# KiCad board EyesOfTomorrow-MainBoard.kicad_pcb
note: AISLER Project ID: BVLYZYGG
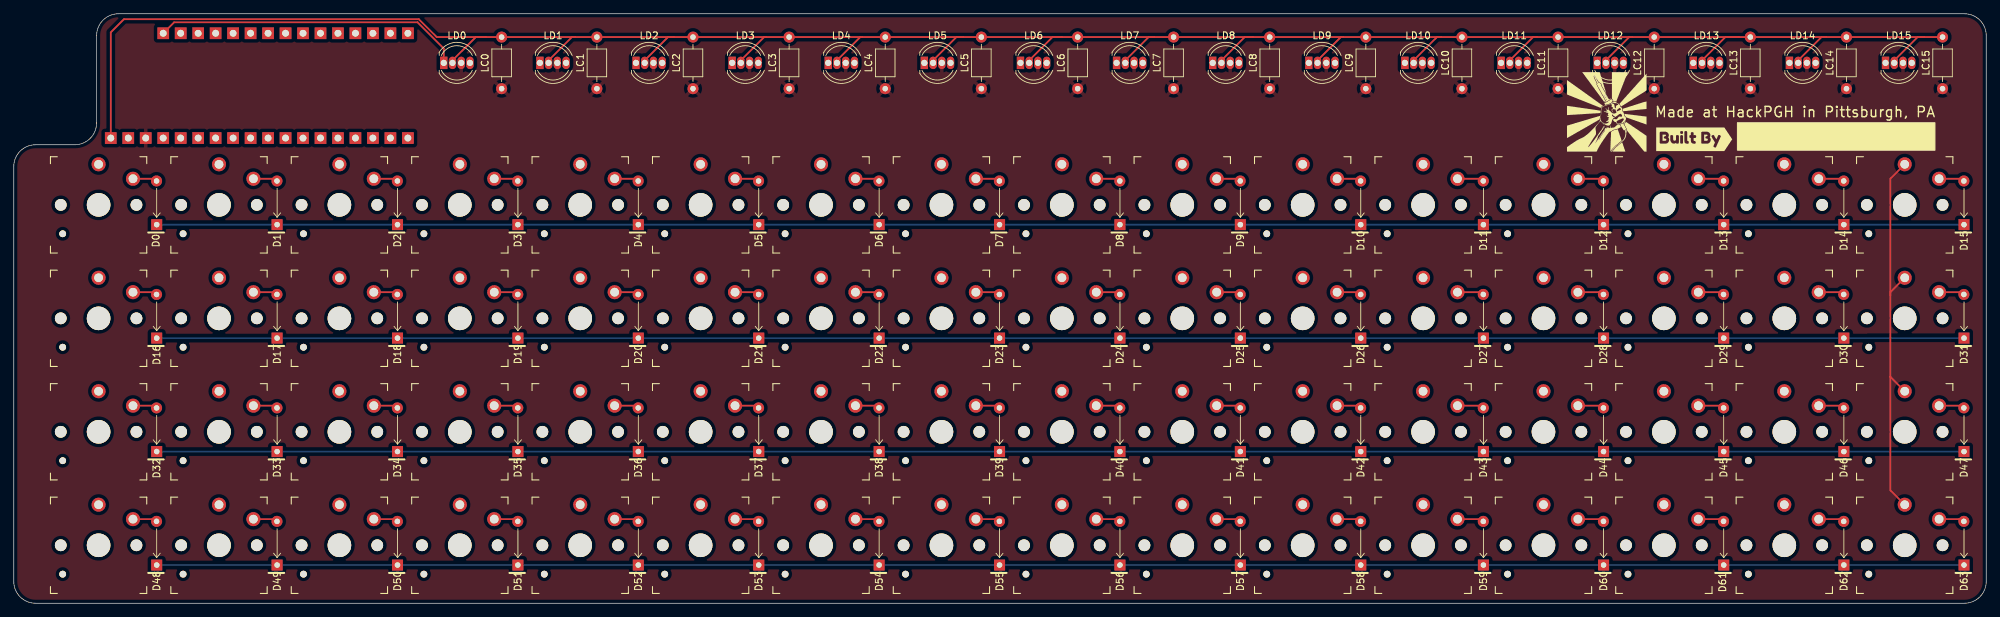
[diagram p0: board, top side]
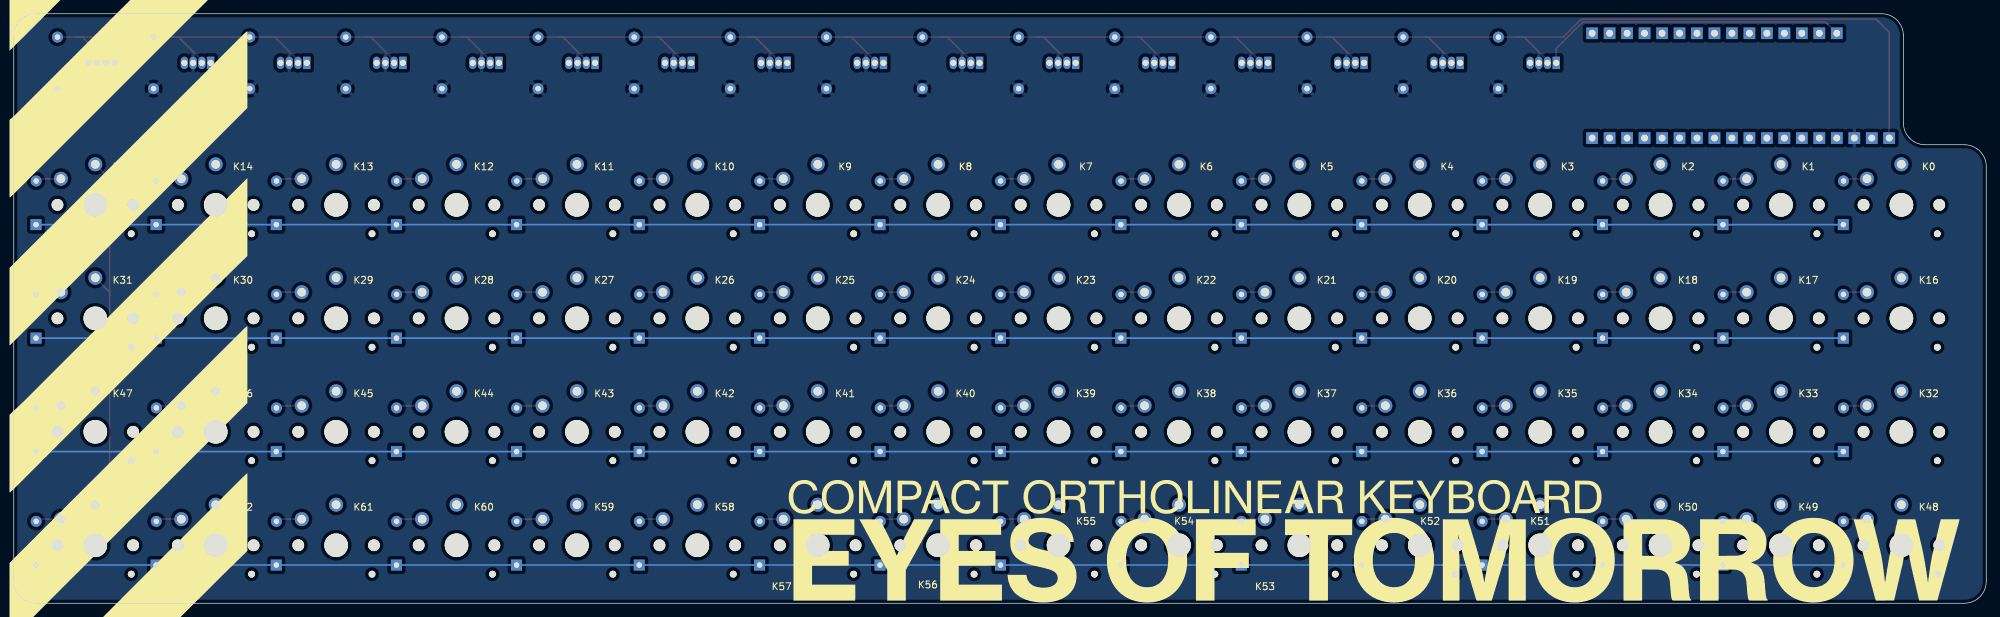
[diagram p1: board, bottom side, seen from below]

Outline 286.68 x 85.73 mm; copper layers: Top, Bottom. Coordinates in mm from the lower left corner of the outline.
Outline path: 0,63.5 0,3.18 arc(0.93,0.93) 3.17,0 283.5,0 arc(285.75,0.93) 286.68,3.18 286.68,82.55 arc(285.75,84.8) 283.5,85.73 15.22,85.73 arc(12.97,84.8) 12.04,82.55 12.04,69.85 arc(11.11,67.6) 8.87,66.68 3.17,66.68 arc(0.93,65.75) 0,63.5

## Placement (name value [footprint] x y rotation side)
D0  1N4148W-T4  [1N4148]  20.77 58.23 90 top
D1  1N4148W-T4  [1N4148]  38.27 58.23 90 top
D2  1N4148W-T4  [1N4148]  55.77 58.23 90 top
D3  1N4148W-T4  [1N4148]  73.27 58.23 90 top
D4  1N4148W-T4  [1N4148]  90.77 58.23 90 top
D5  1N4148W-T4  [1N4148]  108.27 58.23 90 top
D6  1N4148W-T4  [1N4148]  125.77 58.23 90 top
D7  1N4148W-T4  [1N4148]  143.27 58.23 90 top
D8  1N4148W-T4  [1N4148]  160.77 58.23 90 top
D9  1N4148W-T4  [1N4148]  178.27 58.23 90 top
D10  1N4148W-T4  [1N4148]  195.77 58.23 90 top
D11  1N4148W-T4  [1N4148]  213.6 58.23 90 top
D12  1N4148W-T4  [1N4148]  231.06 58.23 90 top
D13  1N4148W-T4  [1N4148]  248.52 58.23 90 top
D14  1N4148W-T4  [1N4148]  265.99 58.23 90 top
D15  1N4148W-T4  [1N4148]  283.45 58.23 90 top
D16  1N4148W-T4  [1N4148]  20.77 41.73 90 top
D17  1N4148W-T4  [1N4148]  38.27 41.73 90 top
D18  1N4148W-T4  [1N4148]  55.77 41.73 90 top
D19  1N4148W-T4  [1N4148]  73.27 41.73 90 top
D20  1N4148W-T4  [1N4148]  90.77 41.73 90 top
D21  1N4148W-T4  [1N4148]  108.27 41.73 90 top
D22  1N4148W-T4  [1N4148]  125.77 41.73 90 top
D23  1N4148W-T4  [1N4148]  143.27 41.73 90 top
D24  1N4148W-T4  [1N4148]  160.77 41.73 90 top
D25  1N4148W-T4  [1N4148]  178.27 41.73 90 top
D26  1N4148W-T4  [1N4148]  195.77 41.73 90 top
D27  1N4148W-T4  [1N4148]  213.6 41.73 90 top
D28  1N4148W-T4  [1N4148]  231.06 41.73 90 top
D29  1N4148W-T4  [1N4148]  248.52 41.73 90 top
D30  1N4148W-T4  [1N4148]  265.99 41.73 90 top
D31  1N4148W-T4  [1N4148]  283.45 41.73 90 top
D32  1N4148W-T4  [1N4148]  20.77 25.23 90 top
D33  1N4148W-T4  [1N4148]  38.27 25.23 90 top
D34  1N4148W-T4  [1N4148]  55.77 25.23 90 top
D35  1N4148W-T4  [1N4148]  73.27 25.23 90 top
D36  1N4148W-T4  [1N4148]  90.77 25.23 90 top
D37  1N4148W-T4  [1N4148]  108.27 25.23 90 top
D38  1N4148W-T4  [1N4148]  125.77 25.23 90 top
D39  1N4148W-T4  [1N4148]  143.27 25.23 90 top
D40  1N4148W-T4  [1N4148]  160.77 25.23 90 top
D41  1N4148W-T4  [1N4148]  178.27 25.23 90 top
D42  1N4148W-T4  [1N4148]  195.77 25.23 90 top
D43  1N4148W-T4  [1N4148]  213.6 25.23 90 top
D44  1N4148W-T4  [1N4148]  231.06 25.23 90 top
D45  1N4148W-T4  [1N4148]  248.52 25.23 90 top
D46  1N4148W-T4  [1N4148]  265.99 25.23 90 top
D47  1N4148W-T4  [1N4148]  283.45 25.23 90 top
D48  1N4148W-T4  [1N4148]  20.77 8.73 90 top
D49  1N4148W-T4  [1N4148]  38.27 8.73 90 top
D50  1N4148W-T4  [1N4148]  55.77 8.73 90 top
D51  1N4148W-T4  [1N4148]  73.27 8.73 90 top
D52  1N4148W-T4  [1N4148]  90.77 8.73 90 top
D53  1N4148W-T4  [1N4148]  108.27 8.73 90 top
D54  1N4148W-T4  [1N4148]  125.77 8.73 90 top
D55  1N4148W-T4  [1N4148]  143.27 8.73 90 top
D56  1N4148W-T4  [1N4148]  160.77 8.73 90 top
D57  1N4148W-T4  [1N4148]  178.27 8.73 90 top
D58  1N4148W-T4  [1N4148]  195.77 8.73 90 top
D59  1N4148W-T4  [1N4148]  213.6 8.73 90 top
D60  1N4148W-T4  [1N4148]  231.06 8.73 90 top
D61  1N4148W-T4  [1N4148]  248.52 8.73 90 top
D62  1N4148W-T4  [1N4148]  265.99 8.73 90 top
D63  1N4148W-T4  [1N4148]  283.45 8.73 90 top
G***  LOGO  [hackpgh]  231.53 71.41 0 top
G***#2  LOGO  [eot]  89.08 7.43 180 bottom
G***#3  LOGO  [sweethaz]  270.01 50.01 180 bottom
J0  Block 0 GPIO  [CastellatedEdges-18]  14.1 67.65 90 top
J1  Block 1 GPIO  [CastellatedEdges-15]  57.28 82.89 270 top
K0  Keyswitch  [SW_PG1350]  12.33 57.93 0 top
K1  Keyswitch  [SW_PG1350]  29.83 57.93 0 top
K2  Keyswitch  [SW_PG1350]  47.33 57.93 0 top
K3  Keyswitch  [SW_PG1350]  64.83 57.93 0 top
K4  Keyswitch  [SW_PG1350]  82.33 57.93 0 top
K5  Keyswitch  [SW_PG1350]  99.83 57.93 0 top
K6  Keyswitch  [SW_PG1350]  117.33 57.93 0 top
K7  Keyswitch  [SW_PG1350]  134.83 57.93 0 top
K8  Keyswitch  [SW_PG1350]  152.33 57.93 0 top
K9  Keyswitch  [SW_PG1350]  169.83 57.93 0 top
K10  Keyswitch  [SW_PG1350]  187.33 57.93 0 top
K11  Keyswitch  [SW_PG1350]  204.83 57.93 0 top
K12  Keyswitch  [SW_PG1350]  222.33 57.93 0 top
K13  Keyswitch  [SW_PG1350]  239.83 57.93 0 top
K14  Keyswitch  [SW_PG1350]  257.33 57.93 0 top
K15  Keyswitch  [SW_PG1350]  274.83 57.93 0 top
K16  Keyswitch  [SW_PG1350]  12.33 41.43 0 top
K17  Keyswitch  [SW_PG1350]  29.83 41.43 0 top
K18  Keyswitch  [SW_PG1350]  47.33 41.43 0 top
K19  Keyswitch  [SW_PG1350]  64.83 41.43 0 top
K20  Keyswitch  [SW_PG1350]  82.33 41.43 0 top
K21  Keyswitch  [SW_PG1350]  99.83 41.43 0 top
K22  Keyswitch  [SW_PG1350]  117.33 41.43 0 top
K23  Keyswitch  [SW_PG1350]  134.83 41.43 0 top
K24  Keyswitch  [SW_PG1350]  152.33 41.43 0 top
K25  Keyswitch  [SW_PG1350]  169.83 41.43 0 top
K26  Keyswitch  [SW_PG1350]  187.33 41.43 0 top
K27  Keyswitch  [SW_PG1350]  204.83 41.43 0 top
K28  Keyswitch  [SW_PG1350]  222.33 41.43 0 top
K29  Keyswitch  [SW_PG1350]  239.83 41.43 0 top
K30  Keyswitch  [SW_PG1350]  257.33 41.43 0 top
K31  Keyswitch  [SW_PG1350]  274.83 41.43 0 top
K32  Keyswitch  [SW_PG1350]  12.33 24.93 0 top
K33  Keyswitch  [SW_PG1350]  29.83 24.93 0 top
K34  Keyswitch  [SW_PG1350]  47.33 24.93 0 top
K35  Keyswitch  [SW_PG1350]  64.83 24.93 0 top
K36  Keyswitch  [SW_PG1350]  82.33 24.93 0 top
K37  Keyswitch  [SW_PG1350]  99.83 24.93 0 top
K38  Keyswitch  [SW_PG1350]  117.33 24.93 0 top
K39  Keyswitch  [SW_PG1350]  134.83 24.93 0 top
K40  Keyswitch  [SW_PG1350]  152.33 24.93 0 top
K41  Keyswitch  [SW_PG1350]  169.83 24.93 0 top
K42  Keyswitch  [SW_PG1350]  187.33 24.93 0 top
K43  Keyswitch  [SW_PG1350]  204.83 24.93 0 top
K44  Keyswitch  [SW_PG1350]  222.33 24.93 0 top
K45  Keyswitch  [SW_PG1350]  239.83 24.93 0 top
K46  Keyswitch  [SW_PG1350]  257.33 24.93 0 top
K47  Keyswitch  [SW_PG1350]  274.83 24.93 0 top
K48  Keyswitch  [SW_PG1350]  12.33 8.43 0 top
K49  Keyswitch  [SW_PG1350]  29.83 8.43 0 top
K50  Keyswitch  [SW_PG1350]  47.33 8.43 0 top
K51  Keyswitch  [SW_PG1350]  64.83 8.43 0 top
K52  Keyswitch  [SW_PG1350]  82.33 8.43 0 top
K53  Keyswitch  [SW_PG1350]  99.83 8.43 0 top
K54  Keyswitch  [SW_PG1350]  117.33 8.43 0 top
K55  Keyswitch  [SW_PG1350]  134.83 8.43 0 top
K56  Keyswitch  [SW_PG1350]  152.33 8.43 0 top
K57  Keyswitch  [SW_PG1350]  169.83 8.43 0 top
K58  Keyswitch  [SW_PG1350]  187.33 8.43 0 top
K59  Keyswitch  [SW_PG1350]  204.83 8.43 0 top
K60  Keyswitch  [SW_PG1350]  222.33 8.43 0 top
K61  Keyswitch  [SW_PG1350]  239.83 8.43 0 top
K62  Keyswitch  [SW_PG1350]  257.33 8.43 0 top
K63  Keyswitch  [SW_PG1350]  274.83 8.43 0 top
kibuzzard-62C8F7A3  G***  [kibuzzard-62C8F7A3]  244.23 67.47 0 top
LC0  100nF  [C_Axial_L3.8mm_D2.6mm_P7.50mm_Horizontal]  70.91 74.83 90 top
LC1  100nF  [C_Axial_L3.8mm_D2.6mm_P7.50mm_Horizontal]  84.75 74.83 90 top
LC2  100nF  [C_Axial_L3.8mm_D2.6mm_P7.50mm_Horizontal]  98.72 74.83 90 top
LC3  100nF  [C_Axial_L3.8mm_D2.6mm_P7.50mm_Horizontal]  112.69 74.83 90 top
LC4  100nF  [C_Axial_L3.8mm_D2.6mm_P7.50mm_Horizontal]  126.66 74.83 90 top
LC5  100nF  [C_Axial_L3.8mm_D2.6mm_P7.50mm_Horizontal]  140.63 74.83 90 top
LC6  100nF  [C_Axial_L3.8mm_D2.6mm_P7.50mm_Horizontal]  154.63 74.83 90 top
LC7  100nF  [C_Axial_L3.8mm_D2.6mm_P7.50mm_Horizontal]  168.57 74.83 90 top
LC8  100nF  [C_Axial_L3.8mm_D2.6mm_P7.50mm_Horizontal]  182.54 74.83 90 top
LC9  100nF  [C_Axial_L3.8mm_D2.6mm_P7.50mm_Horizontal]  196.51 74.83 90 top
LC10  100nF  [C_Axial_L3.8mm_D2.6mm_P7.50mm_Horizontal]  210.48 74.83 90 top
LC11  100nF  [C_Axial_L3.8mm_D2.6mm_P7.50mm_Horizontal]  224.45 74.83 90 top
LC12  100nF  [C_Axial_L3.8mm_D2.6mm_P7.50mm_Horizontal]  238.42 74.83 90 top
LC13  100nF  [C_Axial_L3.8mm_D2.6mm_P7.50mm_Horizontal]  252.39 74.83 90 top
LC14  100nF  [C_Axial_L3.8mm_D2.6mm_P7.50mm_Horizontal]  266.36 74.83 90 top
LC15  100nF  [C_Axial_L3.8mm_D2.6mm_P7.50mm_Horizontal]  280.33 74.83 90 top
LD0  WS2812C  [LED_D5.0mm-4_RGB]  62.49 78.58 0 top
LD1  WS2812C  [LED_D5.0mm-4_RGB]  76.46 78.58 0 top
LD2  WS2812C  [LED_D5.0mm-4_RGB]  90.43 78.58 0 top
LD3  WS2812C  [LED_D5.0mm-4_RGB]  104.4 78.58 0 top
LD4  WS2812C  [LED_D5.0mm-4_RGB]  118.37 78.58 0 top
LD5  WS2812C  [LED_D5.0mm-4_RGB]  132.34 78.58 0 top
LD6  WS2812C  [LED_D5.0mm-4_RGB]  146.31 78.58 0 top
LD7  WS2812C  [LED_D5.0mm-4_RGB]  160.28 78.58 0 top
LD8  WS2812C  [LED_D5.0mm-4_RGB]  174.25 78.58 0 top
LD9  WS2812C  [LED_D5.0mm-4_RGB]  188.22 78.58 0 top
LD10  WS2812C  [LED_D5.0mm-4_RGB]  202.19 78.58 0 top
LD11  WS2812C  [LED_D5.0mm-4_RGB]  216.16 78.58 0 top
LD12  WS2812C  [LED_D5.0mm-4_RGB]  230.13 78.58 0 top
LD13  WS2812C  [LED_D5.0mm-4_RGB]  244.1 78.58 0 top
LD14  WS2812C  [LED_D5.0mm-4_RGB]  258.07 78.58 0 top
LD15  WS2812C  [LED_D5.0mm-4_RGB]  272.04 78.58 0 top

## Library data of the parts
D0-D63 = -: LCSC: C68948
LC0-LC15 = -: LCSC: C307331
LD0-LD15 = -: LCSC: C965556

## Footprints (pads in the part's own frame, mm; a bottom-side part is the same pattern mirrored in y, then rotated)
1N4148
  rect 1.6x1.6 hole 0.8: 1(-3.175,0)
  oval 1.6x1.6 hole 0.8: 2(3.175,0.02)
C_Axial_L3.8mm_D2.6mm_P7.50mm_Horizontal
  round 1.6 hole 0.8: 1(0,0)
  oval 1.6x1.6 hole 0.8: 2(7.5,0)
CastellatedEdges-15
  rect 1.7x1.7 hole 1: 1(0,0) 2(0,-2.54) 3(0,-5.08) 4(0,-7.62) 5(0,-10.16) 6(0,-12.7) 7(0,-15.24) 8(0,-17.78) 9(0,-20.32) 10(0,-22.86) 11(0,-25.4) 12(0,-27.94) 13(0,-30.48) 14(0,-33.02) 15(0,-35.56)
CastellatedEdges-18
  rect 1.7x1.7 hole 1: 1(0,0) 2(0,-2.54) 3(0,-5.08) 4(0,-7.62) 5(0,-10.16) 6(0,-12.7) 7(0,-15.24) 8(0,-17.78) 9(0,-20.32) 10(0,-22.86) 11(0,-25.4) 12(0,-27.94) 13(0,-30.48) 14(0,-33.02) 15(0,-35.56) 16(0,-38.1) 17(0,-40.64) 18(0,-43.18)
LED_D5.0mm-4_RGB
  rect 1.07x1.8 hole 0.9: 1(0,0)
  oval 1.07x1.8 hole 0.9: 2(1.27,0) 3(2.54,0) 4(3.81,0)
SW_PG1350
  round 1.702 hole 1.702 unplated: (-5.5,0) (5.5,0)
  round 0.991 hole 0.991 unplated: (-5.22,-4.2)
  round 3.429 hole 3.429 unplated: (0,0)
  round 2.032 hole 1.27: 1(0,5.9) 2(5,3.8)

## Nets
+3V3: J0.2
GND: J0.3 LC0.1 LC1.1 LC2.1 LC3.1 LC4.1 LC5.1 LC6.1 LC7.1 LC8.1 LC9.1 LC10.1 LC11.1 LC12.1 LC13.1 LC14.1 LC15.1 LD0.3 LD1.3 LD2.3 LD3.3 LD4.3 LD5.3 LD6.3 LD7.3 LD8.3 LD9.3 LD10.3 LD11.3 LD12.3 LD13.3 LD14.3 LD15.3
VBUS: J0.1 LC0.2 LC1.2 LC2.2 LC3.2 LC4.2 LC5.2 LC6.2 LC7.2 LC8.2 LC9.2 LC10.2 LC11.2 LC12.2 LC13.2 LC14.2 LC15.2 LD0.2 LD1.2 LD2.2 LD3.2 LD4.2 LD5.2 LD6.2 LD7.2 LD8.2 LD9.2 LD10.2 LD11.2 LD12.2 LD13.2 LD14.2 LD15.2
0: J0.4 K0.1 K16.1 K32.1 K48.1
1: J0.5 K1.1 K17.1 K33.1 K49.1
2: J0.6 K2.1 K18.1 K34.1 K50.1
3: J0.7 K3.1 K19.1 K35.1 K51.1
4: J0.8 K4.1 K20.1 K36.1 K52.1
5: J0.9 K5.1 K21.1 K37.1 K53.1
6: J0.10 K6.1 K22.1 K38.1 K54.1
7: J0.11 K7.1 K23.1 K39.1 K55.1
8: J0.12 K8.1 K24.1 K40.1 K56.1
9: J0.13 K9.1 K25.1 K41.1 K57.1
10: J0.14 K10.1 K26.1 K42.1 K58.1
11: J0.15 K11.1 K27.1 K43.1 K59.1
12: J0.16 K12.1 K28.1 K44.1 K60.1
13: J0.17 K13.1 K29.1 K45.1 K61.1
14: J0.18 K14.1 K30.1 K46.1 K62.1
15: J1.1 K15.1 K31.1 K47.1 K63.1
16: D48.1 D49.1 D50.1 D51.1 D52.1 D53.1 D54.1 D55.1 D56.1 D57.1 D58.1 D59.1 D60.1 D61.1 D62.1 D63.1 J1.2
17: D32.1 D33.1 D34.1 D35.1 D36.1 D37.1 D38.1 D39.1 D40.1 D41.1 D42.1 D43.1 D44.1 D45.1 D46.1 D47.1 J1.3
18: D16.1 D17.1 D18.1 D19.1 D20.1 D21.1 D22.1 D23.1 D24.1 D25.1 D26.1 D27.1 D28.1 D29.1 D30.1 D31.1 J1.4
19: D0.1 D1.1 D2.1 D3.1 D4.1 D5.1 D6.1 D7.1 D8.1 D9.1 D10.1 D11.1 D12.1 D13.1 D14.1 D15.1 J1.5
20: J1.6
21: J1.7
22: J1.8
23: J1.9
24: J1.10
25: J1.11
26/A0: J1.12
27/A1: J1.13
28/A2: J1.14
29/A3: J1.15 LD0.1
Net-(D0-Pad2): D0.2 K0.2
Net-(D1-Pad2): D1.2 K1.2
Net-(D2-Pad2): D2.2 K2.2
Net-(D3-Pad2): D3.2 K3.2
Net-(D4-Pad2): D4.2 K4.2
Net-(D5-Pad2): D5.2 K5.2
Net-(D6-Pad2): D6.2 K6.2
Net-(D7-Pad2): D7.2 K7.2
Net-(D8-Pad2): D8.2 K8.2
Net-(D9-Pad2): D9.2 K9.2
Net-(D10-Pad2): D10.2 K10.2
Net-(D11-Pad2): D11.2 K11.2
Net-(D12-Pad2): D12.2 K12.2
Net-(D13-Pad2): D13.2 K13.2
Net-(D14-Pad2): D14.2 K14.2
Net-(D15-Pad2): D15.2 K15.2
Net-(D16-Pad2): D16.2 K16.2
Net-(D17-Pad2): D17.2 K17.2
Net-(D18-Pad2): D18.2 K18.2
Net-(D19-Pad2): D19.2 K19.2
Net-(D20-Pad2): D20.2 K20.2
Net-(D21-Pad2): D21.2 K21.2
Net-(D22-Pad2): D22.2 K22.2
Net-(D23-Pad2): D23.2 K23.2
Net-(D24-Pad2): D24.2 K24.2
Net-(D25-Pad2): D25.2 K25.2
Net-(D26-Pad2): D26.2 K26.2
Net-(D27-Pad2): D27.2 K27.2
Net-(D28-Pad2): D28.2 K28.2
Net-(D29-Pad2): D29.2 K29.2
Net-(D30-Pad2): D30.2 K30.2
Net-(D31-Pad2): D31.2 K31.2
Net-(D32-Pad2): D32.2 K32.2
Net-(D33-Pad2): D33.2 K33.2
Net-(D34-Pad2): D34.2 K34.2
Net-(D35-Pad2): D35.2 K35.2
Net-(D36-Pad2): D36.2 K36.2
Net-(D37-Pad2): D37.2 K37.2
Net-(D38-Pad2): D38.2 K38.2
Net-(D39-Pad2): D39.2 K39.2
Net-(D40-Pad2): D40.2 K40.2
Net-(D41-Pad2): D41.2 K41.2
Net-(D42-Pad2): D42.2 K42.2
Net-(D43-Pad2): D43.2 K43.2
Net-(D44-Pad2): D44.2 K44.2
Net-(D45-Pad2): D45.2 K45.2
Net-(D46-Pad2): D46.2 K46.2
Net-(D47-Pad2): D47.2 K47.2
Net-(D48-Pad2): D48.2 K48.2
Net-(D49-Pad2): D49.2 K49.2
Net-(D50-Pad2): D50.2 K50.2
Net-(D51-Pad2): D51.2 K51.2
Net-(D52-Pad2): D52.2 K52.2
Net-(D53-Pad2): D53.2 K53.2
Net-(D54-Pad2): D54.2 K54.2
Net-(D55-Pad2): D55.2 K55.2
Net-(D56-Pad2): D56.2 K56.2
Net-(D57-Pad2): D57.2 K57.2
Net-(D58-Pad2): D58.2 K58.2
Net-(D59-Pad2): D59.2 K59.2
Net-(D60-Pad2): D60.2 K60.2
Net-(D61-Pad2): D61.2 K61.2
Net-(D62-Pad2): D62.2 K62.2
Net-(D63-Pad2): D63.2 K63.2
Net-(LD0-Pad4): LD0.4 LD1.1
Net-(LD1-Pad4): LD1.4 LD2.1
Net-(LD2-Pad4): LD2.4 LD3.1
Net-(LD3-Pad4): LD3.4 LD4.1
Net-(LD4-Pad4): LD4.4 LD5.1
Net-(LD5-Pad4): LD5.4 LD6.1
Net-(LD6-Pad4): LD6.4 LD7.1
Net-(LD7-Pad4): LD7.4 LD8.1
Net-(LD8-Pad4): LD8.4 LD9.1
Net-(LD10-Pad1): LD9.4 LD10.1
Net-(LD10-Pad4): LD10.4 LD11.1
Net-(LD11-Pad4): LD11.4 LD12.1
Net-(LD12-Pad4): LD12.4 LD13.1
Net-(LD13-Pad4): LD13.4 LD14.1
Net-(LD14-Pad4): LD14.4 LD15.1

Pads without a net: LD15 4

## Routing (per net, layer and track width the routed paths; a pad name or vN(x,y) marks a point on that pad's centre or on a via; arc(x,y) is an arc through that point)
VBUS: length 379.8
  Top w0.25: LD12.2 231.4,78.95 234.79,82.33 235.3,82.33 ; LD4.2 119.64,78.95 123.03,82.33 123.39,82.33 ; LD11.2 217.43,78.95 220.82,82.33 221.37,82.33 ; 81.67,82.33 81.12,82.33 77.73,78.95 LD1.2 ; 81.67,82.33 95.96,82.33 ; 81.67,82.33 LC0.2 68.62,82.33 ; LD15.2 273.31,78.95 276.7,82.33 277.73,82.33 ; 250.74,82.33 235.3,82.33 ; 250.74,82.33 263.44,82.33 ; 250.74,82.33 248.76,82.33 245.37,78.95 LD13.2 ; 235.3,82.33 221.37,82.33 ; 263.44,82.33 277.73,82.33 ; 263.44,82.33 262.73,82.33 259.34,78.95 LD14.2 ; 221.37,82.33 207.52,82.33 ; LD10.2 203.46,78.95 206.85,82.33 207.52,82.33 ; 68.62,82.33 61.47,82.33 58.87,84.93 16.01,84.93 14.1,83.02 J0.1 ; 68.62,82.33 67.15,82.33 63.76,78.95 LD0.2 ; 95.96,82.33 95.09,82.33 91.7,78.95 LD2.2 ; 95.96,82.33 123.39,82.33 ; 165.81,82.33 152.32,82.33 ; 165.81,82.33 180.1,82.33 ; 165.81,82.33 164.94,82.33 161.55,78.95 LD7.2 ; 152.32,82.33 138.03,82.33 ; 152.32,82.33 150.97,82.33 147.58,78.95 LD6.2 ; 138.03,82.33 123.39,82.33 ; 138.03,82.33 137,82.33 133.61,78.95 LD5.2 ; 180.1,82.33 193.24,82.33 ; 180.1,82.33 178.91,82.33 175.52,78.95 LD8.2 ; LD3.2 105.67,78.95 109.06,82.33 109.45,82.33 ; 277.73,82.33 LC15.2 ; 207.52,82.33 193.24,82.33 ; LD9.2 189.49,78.95 192.88,82.33 193.24,82.33
15: length 57.7
  Top w0.25: 272.74,32.99 272.74,16.42 K63.1 ; 272.74,32.99 272.74,32.92 K47.1 ; 272.74,32.99 272.74,44.8 ; 272.74,44.8 272.74,45.24 K31.1 ; 272.74,44.8 272.74,61.74 K15.1
16: length 262.7
  Bottom w0.25: D48.1 D63.1
17: length 262.7
  Bottom w0.25: D47.1 D32.1
18: length 262.7
  Bottom w0.25: D16.1 D31.1
19: length 262.7
  Bottom w0.25: D15.1 D0.1
29/A3: length 45.1
  Top w0.25: J1.15 23.31,84.48 58.69,84.48 62.49,80.68 LD0.1
Net-(D0-Pad2): length 3.6
  Top w0.25: K0.2 20.43,61.73 D0.2
Net-(D1-Pad2): length 3.6
  Top w0.25: K1.2 37.93,61.73 D1.2
Net-(D2-Pad2): length 3.6
  Top w0.25: D2.2 55.43,61.73 K2.2
Net-(D3-Pad2): length 3.6
  Top w0.25: K3.2 72.93,61.73 D3.2
Net-(D4-Pad2): length 3.6
  Top w0.25: D4.2 90.43,61.73 K4.2
Net-(D5-Pad2): length 3.6
  Top w0.25: D5.2 107.93,61.73 K5.2
Net-(D6-Pad2): length 3.6
  Top w0.25: D6.2 125.43,61.73 K6.2
Net-(D7-Pad2): length 3.6
  Top w0.25: D7.2 142.93,61.73 K7.2
Net-(D8-Pad2): length 3.6
  Top w0.25: K8.2 160.43,61.73 D8.2
Net-(D9-Pad2): length 3.6
  Top w0.25: K9.2 177.93,61.73 D9.2
Net-(D10-Pad2): length 3.6
  Top w0.25: K10.2 195.43,61.73 D10.2
Net-(D11-Pad2): length 3.9
  Top w0.25: D11.2 213.25,61.73 K11.2
Net-(D12-Pad2): length 3.8
  Top w0.25: D12.2 230.72,61.73 K12.2
Net-(D13-Pad2): length 3.8
  Top w0.25: D13.2 248.18,61.73 K13.2
Net-(D14-Pad2): length 3.8
  Top w0.25: K14.2 265.64,61.73 D14.2
Net-(D15-Pad2): length 3.7
  Top w0.25: D15.2 283.1,61.73 K15.2
Net-(D16-Pad2): length 3.6
  Top w0.25: D16.2 20.43,45.23 K16.2
Net-(D17-Pad2): length 3.6
  Top w0.25: D17.2 37.93,45.23 K17.2
Net-(D18-Pad2): length 3.6
  Top w0.25: D18.2 55.43,45.23 K18.2
Net-(D19-Pad2): length 3.6
  Top w0.25: D19.2 72.93,45.23 K19.2
Net-(D20-Pad2): length 3.6
  Top w0.25: K20.2 90.43,45.23 D20.2
Net-(D21-Pad2): length 3.6
  Top w0.25: K21.2 107.93,45.23 D21.2
Net-(D22-Pad2): length 3.6
  Top w0.25: D22.2 125.43,45.23 K22.2
Net-(D23-Pad2): length 3.6
  Top w0.25: D23.2 142.93,45.23 K23.2
Net-(D24-Pad2): length 3.6
  Top w0.25: D24.2 160.43,45.23 K24.2
Net-(D25-Pad2): length 3.6
  Top w0.25: D25.2 177.93,45.23 K25.2
Net-(D26-Pad2): length 3.6
  Top w0.25: K26.2 195.43,45.23 D26.2
Net-(D27-Pad2): length 3.9
  Top w0.25: K27.2 213.25,45.23 D27.2
Net-(D28-Pad2): length 3.8
  Top w0.25: K28.2 230.72,45.23 D28.2
Net-(D29-Pad2): length 3.8
  Top w0.25: D29.2 248.18,45.23 K29.2
Net-(D30-Pad2): length 3.8
  Top w0.25: K30.2 265.64,45.23 D30.2
Net-(D31-Pad2): length 3.7
  Top w0.25: 283.43,44.96 283.15,45.23 K31.2
Net-(D32-Pad2): length 3.6
  Top w0.25: D32.2 20.43,28.73 K32.2
Net-(D33-Pad2): length 3.6
  Top w0.25: D33.2 37.93,28.73 K33.2
Net-(D34-Pad2): length 3.6
  Top w0.25: K34.2 55.43,28.73 D34.2
Net-(D35-Pad2): length 3.6
  Top w0.25: K35.2 72.93,28.73 D35.2
Net-(D36-Pad2): length 3.6
  Top w0.25: D36.2 90.43,28.73 K36.2
Net-(D37-Pad2): length 3.6
  Top w0.25: D37.2 107.93,28.73 K37.2
Net-(D38-Pad2): length 3.6
  Top w0.25: D38.2 125.43,28.73 K38.2
Net-(D39-Pad2): length 3.6
  Top w0.25: D39.2 142.93,28.73 K39.2
Net-(D40-Pad2): length 3.6
  Top w0.25: D40.2 160.43,28.73 K40.2
Net-(D41-Pad2): length 3.6
  Top w0.25: D41.2 177.93,28.73 K41.2
Net-(D42-Pad2): length 3.6
  Top w0.25: K42.2 195.43,28.73 D42.2
Net-(D43-Pad2): length 3.9
  Top w0.25: K43.2 213.25,28.73 D43.2
Net-(D44-Pad2): length 3.8
  Top w0.25: K44.2 230.72,28.73 D44.2
Net-(D45-Pad2): length 3.8
  Top w0.25: D45.2 248.18,28.73 K45.2
Net-(D46-Pad2): length 3.8
  Top w0.25: D46.2 265.64,28.73 K46.2
Net-(D47-Pad2): length 3.7
  Top w0.25: D47.2 283.1,28.73 K47.2
Net-(D48-Pad2): length 3.6
  Top w0.25: K48.2 20.43,12.23 D48.2
Net-(D49-Pad2): length 3.6
  Top w0.25: K49.2 37.93,12.23 D49.2
Net-(D50-Pad2): length 3.6
  Top w0.25: D50.2 55.43,12.23 K50.2
Net-(D51-Pad2): length 3.6
  Top w0.25: K51.2 72.93,12.23 D51.2
Net-(D52-Pad2): length 3.6
  Top w0.25: K52.2 90.43,12.23 D52.2
Net-(D53-Pad2): length 3.6
  Top w0.25: D53.2 107.93,12.23 K53.2
Net-(D54-Pad2): length 3.6
  Top w0.25: D54.2 125.43,12.23 K54.2
Net-(D55-Pad2): length 3.6
  Top w0.25: D55.2 142.93,12.23 K55.2
Net-(D56-Pad2): length 3.6
  Top w0.25: D56.2 160.43,12.23 K56.2
Net-(D57-Pad2): length 3.6
  Top w0.25: K57.2 177.93,12.23 D57.2
Net-(D58-Pad2): length 3.6
  Top w0.25: D58.2 195.43,12.23 K58.2
Net-(D59-Pad2): length 3.9
  Top w0.25: D59.2 213.25,12.23 K59.2
Net-(D60-Pad2): length 3.8
  Top w0.25: K60.2 230.72,12.23 D60.2
Net-(D61-Pad2): length 3.8
  Top w0.25: D61.2 248.18,12.23 K61.2
Net-(D62-Pad2): length 3.8
  Top w0.25: D62.2 265.64,12.23 K62.2
Net-(D63-Pad2): length 3.7
  Top w0.25: K63.2 283.1,12.23 D63.2

## Copper pours and planes (outline as drawn; the poured copper is in the pictures)
GND on Top, Bottom: 286.71,-0.07 -1.45,-0.79 -1.43,86.58 286.71,86.58

## Text on the board
F.Silkscreen: Made at HackPGH in Pittsburgh, PA
